# KiCad board EnvKB105-RPI.kicad_pcb (continued)
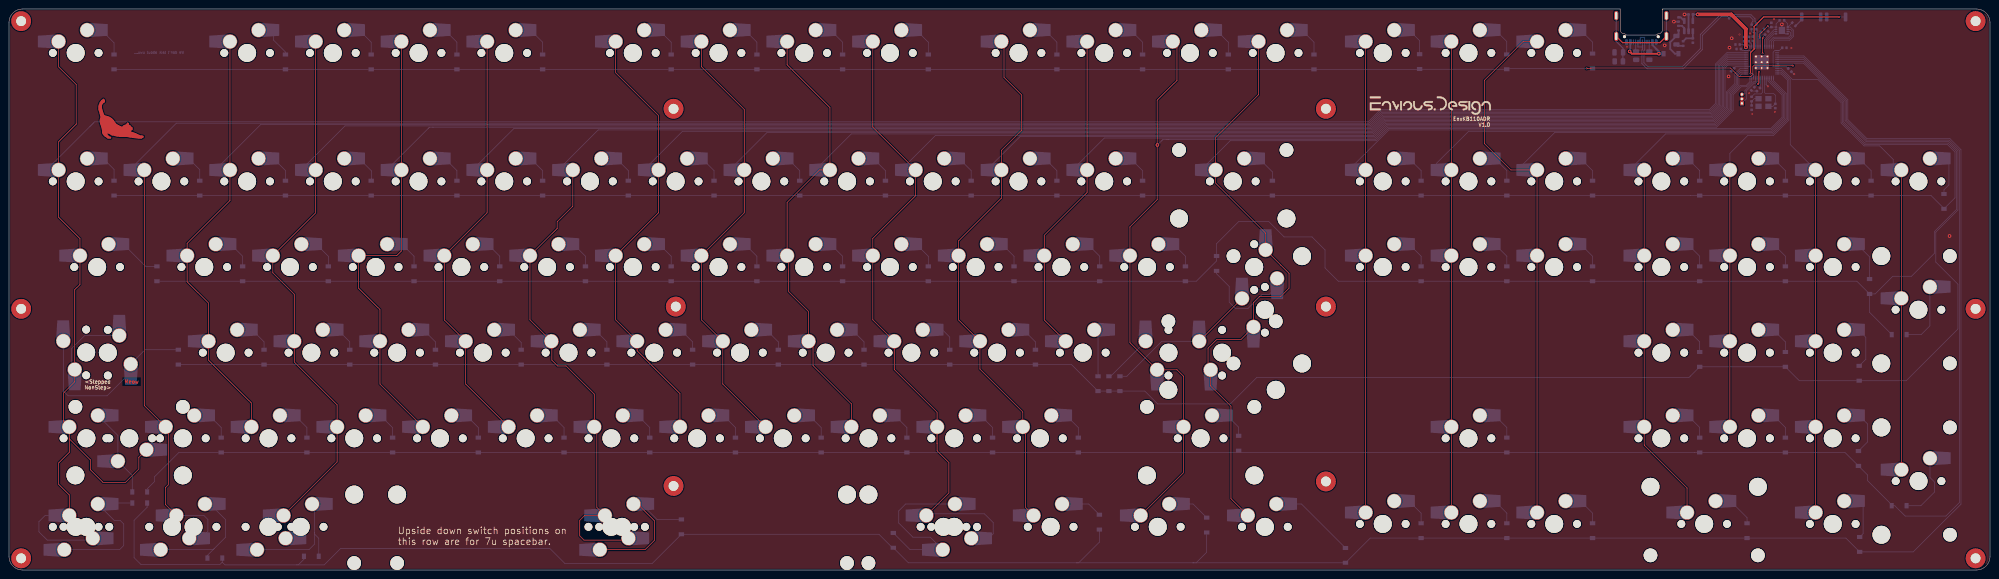
[diagram p0: board, top side]
## Routing (per net, layer and track width the routed paths; a pad name or vN(x,y) marks a point on that pad's centre or on a via; arc(x,y) is an arc through that point) (continued)
Net-(U3-USB_DP): length 4
  Bottom w0.15: U3.47 388.55,120.08 R3.2
Net-(USB1-CC1): length 2.2
  Bottom w0.2: R5.2 361.55,115.43 USB1.A5
Net-(USB1-CC2): length 2.1
  Bottom w0.2: USB1.B5 364.55,115.36 R6.2
Net-(USB1-SHIELD): length 27.7
  Top w0.25: USB1.S1 366.95,117.3 358.64,117.3 357.22,118.72
  Bottom w0.25: USB1.S1 USB1.S1 ; 357.22,123.32 357.22,117.57 358.75,116.05 C9.1 358.71,115.11 R8.1

## Copper pours and planes (outline as drawn; the poured copper is in the pictures)
+1V1 on Bottom: 387.61,114.7 391.31,114.7 391.31,111.2 388.58,111.2 388.58,110.52 389.26,110.52 389.26,110.8 391.76,110.8 391.76,115.17 388.76,115.17 388.76,115.8 387.91,115.8 387.91,116.88 387.61,116.88
+3V3 on Bottom: 385.52,117.1 385.53,115.41 386.71,115.41 386.71,110.1 389.21,110.1 389.21,109.02 389.51,109.02 389.51,110.1 392.42,110.1 392.4,115.4 393.5,115.4 393.5,115.75 389.45,115.75 389.45,116.9 388.85,116.9 388.85,115.17 391.76,115.17 391.76,110.8 389.26,110.8 389.26,110.52 388.58,110.52 388.58,111.2 387.81,111.2 387.81,114.39 387.46,114.39 387.46,117.1
GND on Top, Bottom: 442.9,-6.28 -8.93,-6.28 -8.93,130.52 442.9,130.52

## Text on the board
Bottom: We don't talk about uwu…
B.Silkscreen: https://github.com/Envious-Data/Env-KB110ADR
Top: Meow
F.Silkscreen: <Stepped / NonStep> | EnvKB110ADR / V1.0 | Upside down switch positions on / this row are for 7u spacebar.
